# Allegro board RK3588S_Tablet_Demo_LP4XD200P232SD10H2_V11_20220218.brd (continued)
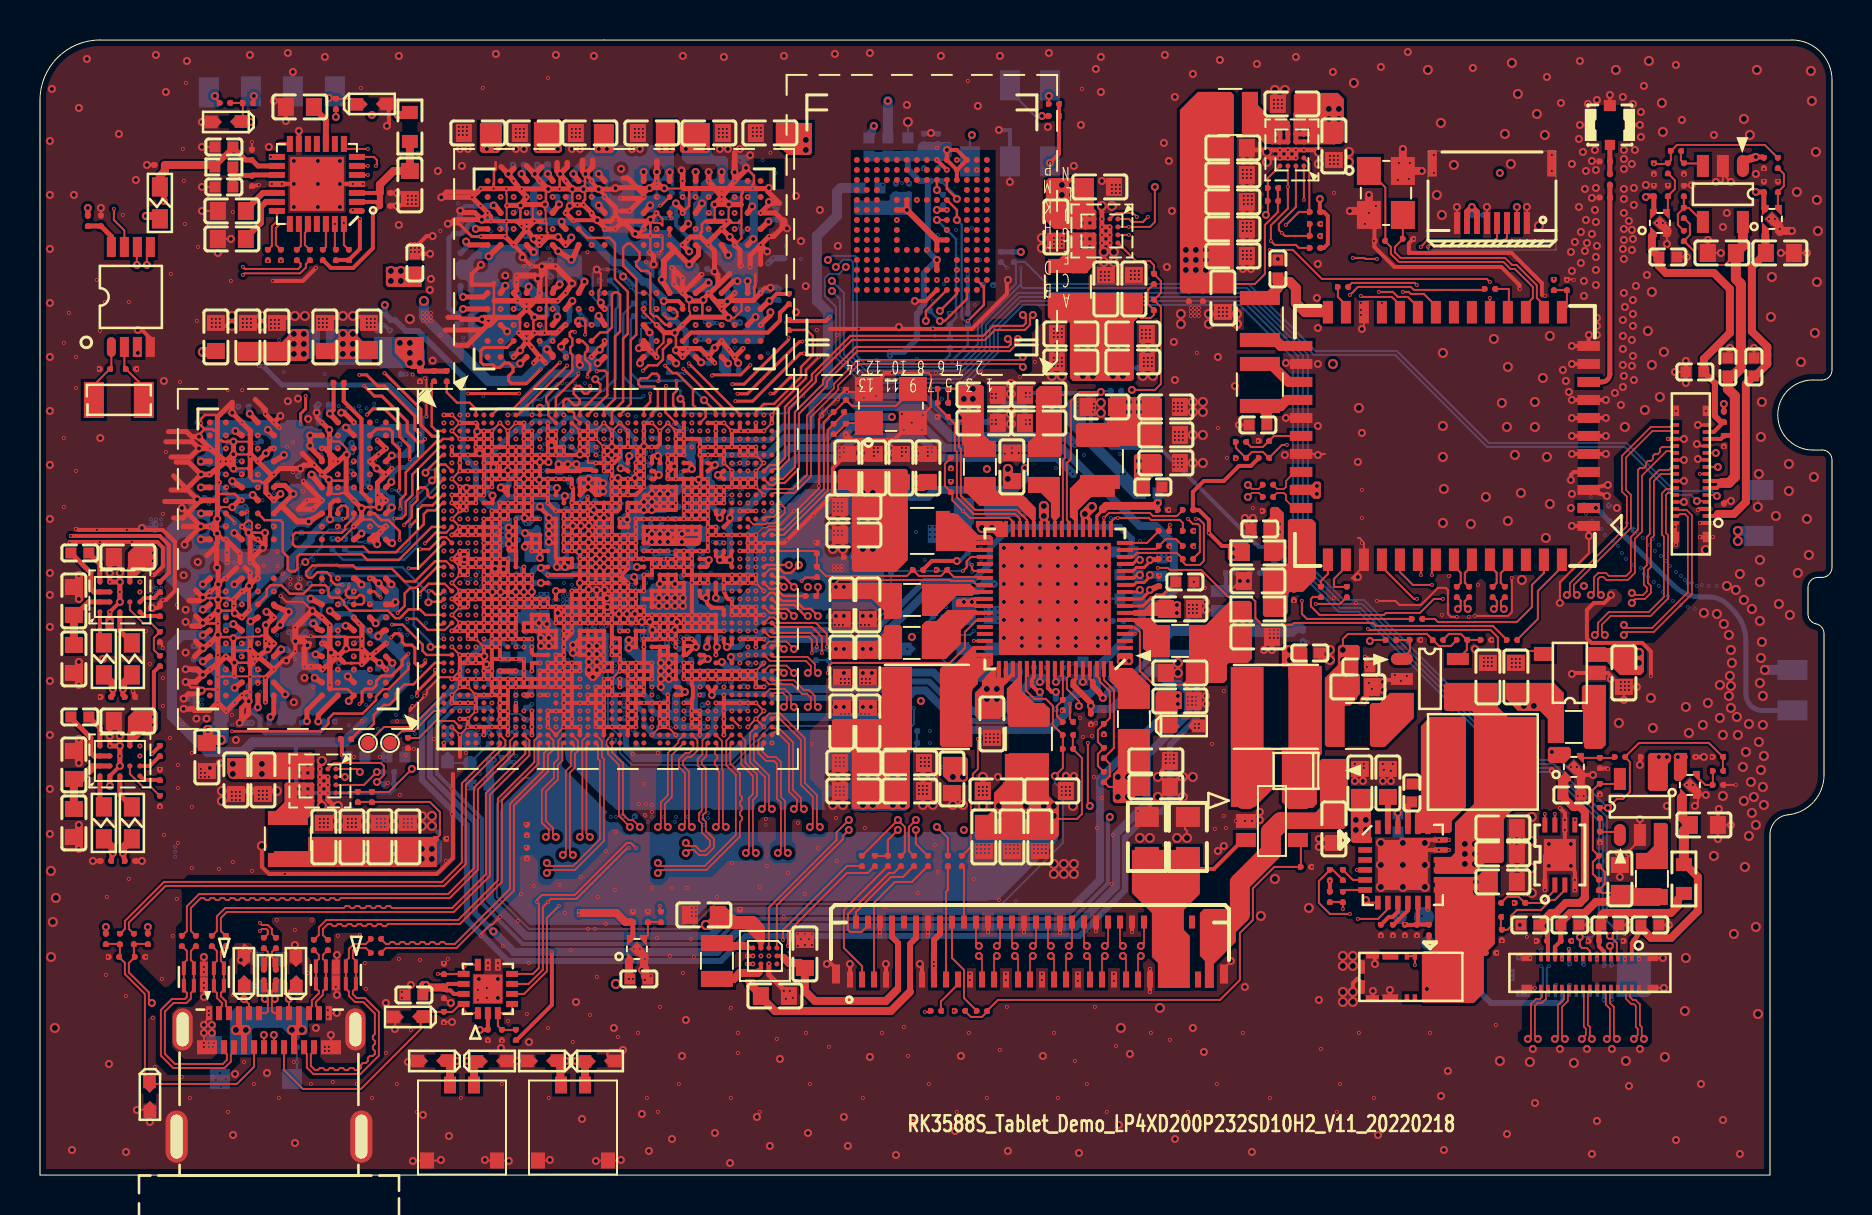
[diagram p0: board, top side]
## Routing (per net, layer and track width the routed paths; a pad name or vN(x,y) marks a point on that pad's centre or on a via; arc(x,y) is an arc through that point) (continued)
  TOP w0.24: 62.39,50.85 v1(62.39,51.25) ; 62.39,50.85 61.99,50.85 ; 62.39,50.85 62.79,50.85 v1(62.79,51.25) ; v1(62.39,51.25) v1(61.99,51.25) ; v1(62.39,51.25) v1(62.79,51.25) ; v1(53.09,47.4) v1(53.09,47) ; v1(53.09,47.4) v1(53.09,47.8) v4(53.09,48.45) ; v1(53.09,47.4) 53.49,47.4 53.49,47 ; v1(53.09,47) v1(53.09,46.6) ; v1(53.09,47) 53.49,47 ; v4(53.19,46.15) 53.09,46.15 v1(53.09,46.6) ; v6(13.99,19.5) v6(13.99,19.1) ; v6(13.99,19.5) v1(13.99,19.9) ; v6(13.99,19.5) 14.39,19.5 ; v6(13.99,19.1) 14.39,19.1 ; v6(13.99,19.1) 13.99,18.7 14.09,18.6 v4(14.09,18.45) ; 14.39,19.1 14.39,19.5 ; 14.39,19.1 14.39,18.75 14.69,18.45 v4(14.89,18.45) ; v1(13.99,19.9) v1(13.99,20.3) 13.99,20.65 14.07,20.73 v4(14.09,20.7) ; v1(13.99,19.9) 14.39,19.9 14.39,19.5 ; 61.99,50.85 v1(61.99,51.25) ; 61.99,50.85 61.34,50.85 ; v1(61.99,51.25) 60.44,51.25 C2314.2 ; v4(53.69,46.15) 53.59,46.15 53.49,46.25 53.49,46.6 ; v1(53.09,46.6) 53.49,46.6 ; v1(62.79,51.25) v1(63.19,51.25) 63.84,51.25 v4(63.94,51.15) ; 53.49,46.6 53.49,47
  TOP w0.243: v4(61.34,50.65) 61.34,50.85
  TOP w0.25: v5(3.99,29.65) v1(3.99,29.15) v5(3.99,28.65) ; v5(3.99,29.65) v1(3.49,29.65) v5(3.49,30.1) 3.49,30.9 C9621.2 3.97,30.9 3.97,30.58 v5(3.99,30.1) v5(3.99,29.65) ; v5(3.99,21.45) v1(3.49,21.45) v5(3.49,21.95) 3.49,22.7 C7034.2 3.97,22.7 3.97,22.38 3.99,21.9 v5(3.99,21.45) ; v5(3.99,21.45) v1(3.99,20.95) v5(3.99,20.45) ; C9613.2 37.44,9 36.44,10 v1(36.44,10.55) ; C7036.2 v5(5.09,15.7) ; v5(3.49,19.45) U7004.B1 ; v5(3.49,27.65) v1(3.49,28.15)
  TOP w0.254: v6(15.69,27.88) 15.69,27.83 v1(15.95,27.58) 16.09,27.43 v6(16.09,26.82) v6(16.09,26.33) ; 6.3,36.66 7.61,36.66 v5(7.95,36.33) 7.52,35.9 6.55,35.9 ; v1(10.89,25.93) v6(11.69,25.28) v6(11.27,24.86) v6(11.27,23.64) ; v1(10.89,25.93) v5(11.4,26.28) ; v1(10.89,25.93) v6(10.51,26.32) ; v1(10.89,25.93) 10.61,25.65 ; v1(10.09,33.73) 10.07,33.73 ; v1(10.09,33.73) 10.07,33.73 ; v1(10.09,33.73) 10.09,33.73 ; 10.07,33.73 9.95,33.73 v5(9.62,33.39) ; 37.18,47.44 36.67,46.93 v6(36.46,46.93) v1(36.03,46.5) ; v6(24.73,42.1) v6(23.93,42.1) v6(24.33,41.7) ; v6(24.73,42.1) v6(24.33,41.7) ; v6(24.73,42.1) v6(25.22,42.1) 25.83,42.1 v1(25.98,42.25) 26.24,42.5 v6(26.28,42.5) ; 10.51,29.51 v5(10.46,29.46) 10.18,29.18 v6(10.09,29.18) v6(9.69,28.78) v1(9.69,28.47) 9.69,28.14 v5(9.74,28.09) ; 10.51,29.51 v1(10.51,30.12) 10.25,30.37 ; 10.51,29.51 10.83,29.83 v1(10.89,29.83) 10.89,30.36 v8(10.63,30.63) 10.63,30.85 v5(11.14,31.36) ; v5(30.53,47.77) 30.45,47.69 29.03,47.69 28.78,47.94 ; 29.16,49.85 29.38,49.85 29.86,49.37 ; v6(14.09,33.73) 13.17,34.65 v1(13.17,34.69) ; v6(14.09,33.73) v6(13.66,33.29) 12.92,33.29 v6(13.36,33.73) v6(14.09,33.73) ; v1(10.89,35.68) 10.89,35.69 v5(11.29,36.09) 11.54,36.33 v6(11.69,36.33) ; v1(10.89,35.68) 11.54,35.03 v6(11.69,35.03) ; v1(10.89,35.68) 10.59,35.99 ; 10.51,25.42 v6(10.51,26.32) ; v1(13.71,35.5) 13.19,35.5 v5(13.02,35.32) 11.99,35.32 v6(11.69,35.03) ; v1(13.71,35.5) 13.12,36.09 ; v1(13.71,35.5) 14.09,35.11 v1(14.09,35.03) ; v5(31.21,49.33) 31.19,49.36 31.17,49.36 31.16,49.37 30.5,49.37 v5(30.48,49.34) 30.46,49.32 30.03,49.32 29.98,49.37 29.86,49.37 ; 36.4,49.32 36.39,49.35 v5(36.44,49.35) 36.39,49.35 36.39,49.32 ; 36.39,49.32 v1(35.63,49.32) 32.2,49.32 32.13,49.4 v1(32.13,49.7) ; 36.4,49.32 36.4,49.17 36.98,48.59 36.52,48.59 v5(36.44,48.65) 36.51,48.58 v1(36.03,48.1) 36.77,48.1 37.18,47.69 ; v5(11.29,27.5) 11.29,26.98 ; 11.29,26.98 v1(11.29,26.69) 11.29,26.38 v5(11.4,26.28) ; 11.29,26.98 v1(11.69,26.58) 11.69,26.53 11.44,26.28 v5(11.4,26.28) ; 32.13,48.13 v1(32.13,48.1) 32.13,48.13 ; 32.13,48.13 32.13,48.25 v5(31.8,48.58) ; U3801.W9 33.43,46.65 v6(33.43,46.5) ; U3801.W9 v1(34.09,47.3) v5(34.49,46.9) 34.73,46.66 v6(34.73,46.5) 35,46.24 35,45.55 35.02,45.53 35.02,45.45 35.04,45.45 v1(35.07,45.47) ; U3801.W9 34.39,47.61 ; 10.76,38.78 11.27,38.27 v6(11.27,38.05) v1(11.69,37.63) ; 21.86,49.14 20.32,49.14 v5(20.06,48.88) v1(21.6,48.88) ; 21.86,49.14 v1(21.6,48.88) ; 21.86,49.14 v1(22.03,49.32) v6(22.68,49.32) v6(23.31,49.32) 23.95,49.32 24.03,49.24 v6(24.09,49.3) v5(25.41,49.3) v1(25.98,49.3) 26.6,49.3 v5(26.62,49.29) v5(27.17,49.29) v5(27.94,49.29) 28.72,49.29 v5(28.78,49.34) 28.8,49.37 29.86,49.37 ; v5(30.68,45.53) 30.68,45.94 v1(30.48,46.14) ; 23.82,47.69 v6(24.72,47.69) ; 20.27,42.25 22.13,42.25 ; 22.13,42.25 21.37,41.49 20.77,41.49 ; 22.13,42.25 U3801.A3 ; 10.52,36.06 10.52,37.21 v1(10.09,37.63) v5(9.61,38.11) 9.61,38.63 8.87,37.9 8.87,34.72 ; 10.52,36.06 10.59,35.99 ; 10.52,36.06 10.51,36.07 ; 10.52,36.06 v6(10.52,35.92) ; 22.88,42.88 22.5,42.5 U3801.A3 ; 22.88,42.88 23.91,42.88 24,42.97 ; 22.88,42.88 22.21,42.88 v5(22.11,42.78) ; v6(35.16,41.33) v1(34.73,40.9) ; v1(34.73,40.9) v5(34.91,40.6) ; v1(34.73,40.9) v6(34.44,41.27) v1(34.08,41.7) v5(33.74,41.36) v6(33.43,40.9) ; v1(36.03,46.5) v5(36.36,46.18) ; v1(36.03,46.5) 36.03,45.55 36.01,45.53 ; v1(36.03,46.5) 35.51,45.98 v6(35.51,45.4) ; v6(14.89,35.68) 14.61,35.96 ; v6(14.89,35.68) 14.38,35.26 ; v6(14.89,35.68) 15.28,36.01 15.33,36.01 v5(15.33,36.01) 15.31,35.98 15.31,34.12 15.68,33.74 v6(15.69,33.73) 16.07,33.34 16.08,33.34 v5(16.08,33.34) 16.08,32.82 v6(15.69,32.43) ; 14.61,35.96 14.52,35.96 ; 14.61,35.96 14.47,36.1 ; v1(33.43,44.1) 33.67,43.82 ; v1(33.43,44.1) 33.52,44.1 33.9,44.49 ; v1(33.43,44.1) v5(33.17,43.75) ; 33.67,43.82 33.8,43.68 v5(34.36,43.68) ; 33.67,43.82 v6(34.08,43.3) ; 8.87,34.72 v1(8.96,34.63) 8.87,34.54 ; 8.87,34.72 8.87,34.54 ; v6(16.49,25.93) v6(16.09,25.53) v6(16.09,26.33) ; v6(16.49,25.93) v5(16.97,25.6) v6(17.29,25.28) ; v6(16.49,25.93) v6(16.8,26.18) U3800.E1 ; v6(16.49,25.93) v6(16.09,26.33) ; v6(24.33,41.7) v6(24.58,41.39) U3801.E1 ; v6(24.33,41.7) v5(24.01,41.23) v6(23.68,40.9) ; U3801.A3 22.11,42.78 v5(22.11,42.78) ; v5(10.43,32.12) 10.51,32.05 v1(10.51,30.63) ; v5(11.14,31.36) 11.25,31.47 v5(11.25,32.11) ; v5(11.14,31.36) 11.14,31.53 ; 14.5,34.71 14.5,34.13 14.42,34.05 ; v6(17.29,35.03) 16.87,34.61 v6(16.87,33.99) ; v6(17.29,35.03) v5(16.84,35.33) v6(16.49,35.68) v6(16.93,36.03) v6(17.29,36.33) v6(16.87,36.75) ; v6(17.29,35.03) v6(17.59,35.33) ; v1(28.23,48.9) 28.78,48.36 28.78,47.94 ; v6(16.87,33.99) 17.04,33.99 v6(17.29,33.73) v5(16.96,33.39) 16.87,33.48 v6(16.87,33.99) ; v1(16.49,29.83) 16.64,29.83 16.88,29.58 v5(16.93,29.58) 16.93,29.54 17.29,29.18 ; v6(33.43,46.5) 33.73,46.21 v5(33.73,45.18) 33.9,45 33.9,44.49 ; v6(33.43,46.5) 33.03,46.9 32.53,46.9 v1(32.38,46.75) v6(32.13,46.5) v5(32.46,46.18) ; v6(11.69,35.03) 11.29,34.63 11.29,34.13 v1(11.45,33.97) v6(11.69,33.73) v5(12.02,34.05) ; v1(30.18,48.9) 30.11,48.83 ; 30.11,48.83 v6(29.48,48.2) 29.03,48.2 ; 30.11,48.83 v1(29.03,48.83) ; 30.39,41.34 30.39,41.49 U3801.N2 ; v1(22.38,48.1) v6(22.03,48.46) v1(21.6,48.88) ; v5(7.09,33.35) 7.09,33.34 7.13,33.34 7.38,33.09 ; v6(30.83,42.5) 31.22,42.12 v5(31.74,42.12) 31.74,42.12 31.75,42.13 v6(32.13,42.5) 32.52,42.89 34.39,42.89 v5(34.41,42.86) 34.41,42.87 34.42,42.92 v6(34.08,43.3) ; 24.05,47.59 24.08,47.56 v1(24.33,47.3) ; v1(33.09,45.02) 33.05,45.02 v6(32.13,44.1) ; v5(9.67,35.32) 9.67,36.04 v5(9.67,36.04) v5(9.67,36.67) ; 10.59,35.99 v6(10.52,35.92) ; v1(14.09,35.03) v5(14.44,34.77) ; v1(14.09,35.03) 14.38,35.26 ; U3800.A3 15.44,23.72 v5(15.44,23.7) ; v6(27.58,40.9) 27.94,41.26 v5(27.99,41.26) 27.99,41.32 28.23,41.56 v1(28.23,41.7) ; 8.83,31.46 8.83,31.58 8.87,31.62 8.87,32.06 v5(8.86,32.07) 8.83,32.1 8.83,32.76 8.84,32.77 8.84,32.78 v5(8.86,32.81) 8.86,32.84 8.87,32.85 8.87,33.8 ; 8.83,31.46 8.83,30.4 v5(8.86,30.37) 8.91,30.32 v5(8.91,29.53) v5(8.91,28.77) v5(8.91,28.21) 8.89,28.2 v1(8.89,27.58) v5(8.89,27) v1(8.89,25.99) 8.89,25.68 8.96,25.62 8.88,25.54 v6(8.88,24.91) v6(8.88,24.28) v1(8.88,23.63) ; 8.83,31.46 8.35,30.98 ; 8.87,33.8 8.8,33.73 U3800.T12 ; 8.87,33.8 8.87,34.54 ; 27.91,47.69 v5(27.86,47.74) 27.58,48.02 v6(27.58,48.1) v6(27.18,48.5) v1(26.87,48.5) 26.54,48.5 v5(26.49,48.45) ; 27.91,47.69 28.23,47.37 v6(28.23,47.3) v1(28.77,47.3) v8(29.03,47.56) 29.26,47.56 v5(29.77,47.06) ; 27.91,47.69 28.52,47.69 28.78,47.94 ; 14.38,35.26 14.52,35.4 14.52,35.96 ; v6(10.52,35.92) 10.52,34.94 ; 33.12,43.7 32.53,43.7 v5(32.46,43.78) v6(32.13,44.1) ; 9.84,30.37 U3800.K11 v1(9.29,29.83) ; 6.42,37.17 7.33,37.17 7.58,36.91 v5(7.95,36.91) ; U3801.C5 v9(23.92,43.75) 23.96,43.71 v1(24.33,43.3) ; 29.86,49.37 30.18,49.05 ; v6(14.89,25.93) 14.49,25.56 14.44,25.52 U3800.C5 ; v6(14.89,25.93) 15.28,26.32 v5(15.31,26.32) 15.31,26.84 ; v6(14.89,25.93) U3800.D4 15.18,25.64 ; v5(22.11,42.78) 21.07,42.78 20.97,42.88 20.39,42.88 ; v6(34.08,43.3) 34.36,43.58 v5(34.36,43.68) ; 34.49,45.08 33.9,44.49 ; v6(24.72,47.69) v1(24.33,47.3) ; v6(24.72,47.69) v6(25.23,47.69) ; v1(24.33,47.3) v5(24.69,46.8) ; v1(24.33,47.3) v6(23.68,46.5) v6(23.26,46.92) v6(22.05,46.92) ; v1(11.69,37.63) U3800.AB8 v1(11.96,37.37) ; v1(11.69,37.63) v5(12.02,37.95) ; v5(24.69,46.8) 24.69,46.75 24.93,46.5 v1(24.98,46.5) 25.38,46.9 ; v5(24.69,46.8) 24.79,46.9 v1(25.09,46.9) 25.38,46.9 ; v6(14.09,37.63) U3800.AB5 14.46,37.26 v5(14.46,37.26) 14.47,37.25 14.47,36.87 v1(14.5,36.85) 14.47,36.82 14.47,36.1 ; v6(14.09,36.33) 14.24,36.33 14.47,36.1 ; U3801.E1 v6(25.28,40.6) ; U3801.E1 v6(24.68,40.6) ; 25.38,46.9 v5(25.9,46.9) ; v6(26.67,47.72) v1(26.28,48.1) ; v5(9.98,22.6) 10.07,22.7 ; 10.07,22.7 10.43,23.05 v5(10.43,23.69) 10.07,23.34 10.07,22.7 ; v5(20.39,47.56) 20.52,47.56 20.72,47.77 v5(22.09,47.77) 21.74,48.12 21.1,48.12 v5(21.01,48.22) ; v6(32.39,41.32) 33.01,41.32 v6(33.43,40.9) ; v6(32.39,41.32) 32.39,41.16 v6(32.13,40.9) v5(31.8,41.24) 31.88,41.32 v6(32.39,41.32) ; v1(8.88,23.63) v1(9.31,23.2) v6(9.74,23.62) v1(10.09,23.98) ; v1(8.88,23.63) 8.47,23.23 7.73,23.23 7.64,23.31 v5(7.18,23.31) ; v6(33.43,40.9) v6(33.73,40.6) ; 34.39,47.61 v6(34.32,47.68) 33.35,47.68 ; 34.39,47.61 34.47,47.69 ; 7.33,34.31 7.27,34.25 6.55,34.25 ; 7.33,34.31 v5(8.05,35.03) 7.43,35.65 6.8,35.65 ; 7.33,34.31 7.85,33.79 v5(7.86,33.79) ; 7.33,34.31 6.68,34.96 ; 31.7,45.28 v6(31.7,44.54) v6(32.13,44.1) ; 31.7,45.28 31.61,45.37 v6(31.59,45.35) ; 31.7,45.28 v6(32.13,44.84) v6(32.13,44.1) ; v1(24.33,43.3) 24.72,42.92 v5(24.72,42.89) 25.24,42.89 ; v1(24.33,43.3) 24.05,43.02 ; v5(9.67,26.84) 9.67,26.84 9.67,25.67 v5(9.72,25.62) 9.72,25.62 v6(9.72,24.96) 9.74,24.93 ; v5(7.86,33.79) 7.86,33.67 6.24,33.67 ; v5(7.86,33.79) 7.97,33.67 7.38,33.09 ; 10,30.63 v6(10,31.07) 9.36,31.71 ; v5(36.52,43.14) 36.52,42.99 v6(36.03,42.5) ; 23.33,48.45 v6(23.36,48.48) 24.02,48.48 v5(24.03,48.48) 24.07,48.52 25.24,48.52 v5(25.24,48.53) ; v5(34.36,43.68) 34.41,43.72 35.65,43.72 v6(36.03,44.1) ; v5(34.36,43.68) 34.36,43.73 v6(34.73,44.1) ; v6(10.51,26.32) v6(10.51,26.82) ; U3800.AB3 v6(15.69,37.63) 15.2,38.12 v5(15.06,38.12) ; 16.86,31.99 16.71,31.99 16.49,31.78 ; 14.52,35.96 14.47,36.01 14.47,36.1 ; 35.07,48.52 34.44,48.52 v5(34.44,48.53) v5(33.73,48.53) ; v5(7.23,31.51) 7.23,31.62 v5(8.04,32.43) 7.38,33.09 ; v1(10.09,27.88) v6(10.48,28.27) ; 6.68,32.85 7.14,32.85 7.38,33.09 ; v5(7.18,23.82) 7.42,24.06 7.92,24.06 v5(8.08,24.22) ; v5(29.77,47.06) 29.87,46.95 v6(30.52,46.95) ; v5(29.77,47.06) 29.93,47.06 ; v1(30.57,41.16) v6(30.83,40.9) ; v1(17.03,32.17) v6(17.29,32.43) ; v1(9.36,30.63) 9.36,31.71 ; 9.36,31.71 v1(9.29,31.78) ; v5(37.79,43.14) 37.79,43.14
  TOP w0.279: 14.49,26.34 14.55,26.27 v5(14.55,26.12) 14.7,26.12 v6(14.89,25.93) ; 14.49,26.34 14.49,25.48 ; 14.49,26.34 v6(14.49,27.49) v6(14.09,27.88) v5(13.62,28.2) ; 14.49,26.34 14.24,26.58 v1(14.09,26.58) ; v5(26.01,50.05) 26.36,50.41 26.36,50.61 ; v5(26.01,50.05) 25.85,50.21 25.85,50.61 ; v5(26.01,50.05) v1(26.28,49.7) v5(26.62,49.29) ; U3800.C5 13.95,25.42 v1(13.55,25.42) v1(13.22,25.42) ; v5(8.05,35.03) v1(8.47,35.03) 8.49,35.03 8.87,35.34 v1(9.29,35.68) ; v1(9.29,35.68) 8.87,36.02 v6(8.49,36.33) ; v1(9.29,35.68) v5(9.67,35.32) ; v1(9.29,35.68) 9.67,36.04 ; 34.73,51.11 v5(34.73,50.14) v1(34.73,49.7) ; v5(26.57,46.88) 26.56,46.88 26.57,46.8 v6(26.28,46.5) v5(25.9,46.9) ; 23.06,50.41 v5(23.42,50.05) ; v5(23.42,50.05) v1(23.68,49.7) 24.03,49.24 v6(24.33,48.9) v5(24.03,48.48) ; v5(23.42,50.05) 23.7,50.33 ; 7.46,28.72 7.99,28.72 v5(8.14,28.87) 7.79,29.23 ; v5(8.14,26.33) v1(8.49,26.58) v5(8.89,27) ; v5(8.14,26.33) 7.74,25.93 ; v5(8.14,26.33) 7.79,26.69 ; 16.49,31.78 16.62,31.78 v5(16.86,31.54) 16.86,31.99 v1(17.03,32.17) ; v5(24.74,50.05) v1(24.98,49.7) v5(25.41,49.3) ; v5(24.74,50.05) 24.33,50.46 ; v5(24.74,50.05) 25.09,50.41 ; v5(8.91,28.21) v1(8.49,27.88) v5(8.14,27.6) ; v5(35.3,50.36) 35.3,50.27 v1(34.73,49.7) ; v1(34.73,49.7) v1(34.08,48.9) ; 13.47,26.58 v5(13.38,26.49) ; v5(28.04,43.63) 28.04,43.5 v1(28.23,43.3) ; 24.74,43.71 v6(23.88,43.71) ; 24.74,43.71 v1(24.33,43.3) ; 24.74,43.71 24.98,43.95 v1(24.98,44.1) 24.98,44.73 v5(24.89,44.82) ; 24.74,43.71 v6(25.89,43.71) v6(26.28,44.1) v5(26.6,44.57) ; v5(7.86,33.79) 7.97,33.68 8.02,33.73 U3800.T12 8.49,33.73 ; v1(30.57,41.16) 30.39,41.34 v5(29.94,41.34) 30.18,41.58 U3801.N2 ; v5(32.08,50.23) 32.13,50.18 v1(32.13,49.7) ; v6(9.29,25.93) 8.96,25.62 v1(8.49,25.28) v5(8.14,25.01) ; v6(9.29,25.93) v5(9.72,25.62) ; v6(9.29,25.93) 9.29,25.93 ; v5(11.29,27.5) v6(11.69,27.88) 11.4,28.16 v5(11.32,28.16) ; 7.59,27.45 7.99,27.45 v5(8.14,27.6) ; v5(8.14,25.01) 7.86,25.29 v5(7.28,25.29) ; v5(8.14,25.01) 7.79,24.66 v5(7.28,24.66) ; 14.49,25.48 14.44,25.52 ; 14.49,25.48 14.49,24.59 14.49,24.58 14.49,24.31 ; 8.49,32.43 v6(8.49,32.43) v5(8.04,32.43) 7.18,32.43 ; v1(34.08,48.9) v5(34.44,48.53) ; v1(34.08,48.9) v5(33.73,48.53) ; v1(34.08,48.9) 33.74,49.32 v1(33.43,49.7) v5(33.43,50.15) ; v5(9.74,28.09) v1(10.09,27.88) ; v6(23.88,43.71) v9(23.92,43.75) ; v6(23.88,43.71) 22.72,43.71 ; v5(7.95,36.33) v6(8.49,36.33) ; v6(8.49,36.33) 7.95,36.88 v5(7.95,36.91) ; 27.63,50.74 27.63,50.41 v5(27.28,50.05) 27.12,50.21 27.12,50.74 ; v1(23.82,44.97) v1(23.82,44.64) 23.82,44.24 U3801.C5 ; v1(26.28,48.1) v5(26.49,48.45) ; v5(8.14,27.6) 7.79,27.96 ; v6(30.83,49.7) v5(30.84,50.15) 30.84,50.7
  TOP w0.305: v1(13.22,25.42) 13.22,26.33 v5(13.38,26.49) 13.17,26.69 v5(12.77,26.69) v1(12.77,27.37) 13.59,28.2 v5(13.62,28.2) ; v1(23.82,44.97) 24.74,44.97 v5(24.89,44.82) 25.09,45.02 v5(25.09,45.43) v1(25.78,45.43) 26.6,44.6 v5(26.6,44.57)
  TOP w0.4: v5(1.94,25.65) 1.94,25.1 C9623.2 1.64,25.1 1.94,24.8 v5(1.94,24.5) ; 66.44,48.2 v1(66.44,48.1) Y6300.2 ; 66.44,48.2 v5(65.49,48.2) ; 66.44,48.2 v5(66.44,49) ; v5(1.94,30) 1.94,29.4 ; 1.94,29.4 C9622.2 ; 1.94,29.4 v5(1.94,28.8) ; C9629.2 30.24,9.95 30.24,10.35 30.19,10.4 30.19,10.78 30.22,10.8 30.22,10.93 U7006.N5 ; v5(1.94,20.6) 1.94,21.2 ; 1.94,21.2 v5(1.94,21.8) ; 1.94,21.2 C9618.2 ; v5(1.94,17.5) 1.94,16.9 C9619.2 1.64,16.9 1.94,16.6 v5(1.94,16.3) ; 68.94,50.2 Y6300.4 v5(68.14,51.3) ; U4601.N5 81.37,47.23 81.37,47.1 ; v5(87.59,47.2) 87.04,47.2 86.99,47.15 86.97,47.3 86.97,47.43 U4600.N5 ; C4719.2 77.04,19.88 77.07,19.9 77.07,20.03 U4700.N5 ; 82.87,19 82.87,19.13 U4702.N5
  TOP w0.406: 37.18,47.44 37.18,47.69
  GND02 w0.064: v6(31.39,37.6) v6(30.99,37.2) v1(30.59,37.6) ; 27.89,36.71 v1(28.19,36.4) ; v1(30.59,36.4) 31.04,36.4 ; v6(28.99,37.6) 29.33,37.27 29.38,37.27 29.41,37.24 v1(29.41,37.22) 29.41,37.22 29.41,37.24 29.44,37.27 29.46,37.27 29.79,37.6 ; v6(28.19,37.6) 28.19,37.58 27.94,37.33 27.94,37.07 27.89,37.02 27.84,37.02 ; 23.84,31.69 23.91,31.76 24.75,31.76 24.81,31.82 ; 26.62,39.33 27.14,39.86 27.14,40.01 27.49,40.36 27.49,40.81 v6(27.58,40.9)
  GND02 w0.076: 31.01,43.19 30.92,43.1 30.38,43.1 v1(30.18,43.3) ; 31.04,36.4 31.39,36.05 v1(31.39,36) ; v6(24.33,41.7) 23.35,41.7 22.26,42.78 v5(22.11,42.78)
  GND02 w0.1: v7(23.84,31.18) 23.84,32.45 ; v7(9.94,6.8) 9.59,6.8 9.54,6.85 v7(9.19,6.85) ; v7(16.25,40.09) 16.25,39.87 15.06,38.67 v5(15.06,38.12) ; v6(30.19,29.2) 30.6,29.2 32.19,29.2 v6(32.59,29.6) ; v6(24.59,37.2) 25.07,37.68 v7(25.19,37.68) ; v6(28.39,45.28) 27.43,44.32 26.86,44.32 v5(26.6,44.57) ; 13.83,38.23 v5(13.83,38.12) ; v7(32.71,40.39) 32.7,40.4 32.7,40.78 32.71,40.78 32.71,41.18 v7(32.61,41.28) ; v1(31.79,31.2) 31.79,31.41 31.74,31.46 31.74,32.4 31.79,32.45 v1(31.79,32.8) ; v6(20.59,38) U1000.B3 v1(20.99,37.6) ; v7(12.84,6.35) 12.84,6.75 12.89,6.8 13.39,6.8 v7(13.44,6.85) ; v7(27.51,42.77) 26.99,42.26 26.99,41.56 v1(26.33,40.9) ; v1(70.84,27.9) 70.79,27.95 70.54,27.95 70.39,28.1 70.39,28.4 70.69,28.7 73.59,28.7 73.69,28.6 73.69,28.15 ; v1(23.79,37.6) v6(23.39,37.2) ; v8(48.94,41.35) v8(48.34,41.35) ; v7(27.6,33.82) 27.79,34.02 27.79,34.72 28.03,34.95 28.44,34.95 v1(28.59,34.8)
  GND02 w0.102: 27.02,26 27.02,25.99 ; 27.02,26 27.02,27.16 v7(27.02,27.16) ; 27.02,26 27.02,25.63 26.62,25.23 v1(26.59,25.2) ; v6(32.13,42.5) 31.7,42.5 31.47,42.73 31.47,43.14 31.32,43.29 31.11,43.29 31.01,43.19 ; 27.89,34.91 27.78,34.81 ; v5(16.86,31.54) 18.07,32.76 18.07,32.9 v7(17.97,33) 19.45,33 v7(19.6,32.85) ; v1(28.59,35.6) 28.76,35.77 29.11,35.77 29.44,35.44 29.63,35.44 v1(29.79,35.6) ; 23.84,31.8 23.85,31.81 23.85,32.1 23.84,32.11 ; v1(20.99,30) v6(20.59,29.6) ; v6(27.39,36.8) 27.49,36.71 27.89,36.71 ; v7(24.08,32.57) 24.05,32.6 23.96,32.6 23.84,32.48 23.87,32.45 23.84,32.43 ; v1(25.78,45.43) 25.78,45.47 26.57,46.26 v5(26.57,46.88) ; 23.84,31.25 23.87,31.28 23.84,31.3 ; v1(21,28.38) 20.98,28.36 20.95,28.36 v6(20.59,28) ; v6(20.59,32.01) 20.59,31.61 v6(20.99,31.2) ; v5(29.94,41.34) 29.94,41.26 31.34,39.86 31.49,39.71 31.49,39.62 31.55,39.56 31.55,39.45 31.64,39.35 v7(32.69,39.35) ; v6(20.59,32.8) U1000.N3 v1(20.99,33.24) ; v7(26.62,40.09) 26.62,40.62 v1(26.33,40.9) ; v1(21.79,26) v1(22.19,26.4) 21.8,26.8 v1(21.8,26.81) ; v1(20.59,34.8) 20.6,34.8 v1(20.99,34.41)
  GND02 w0.152: v6(33.43,46.5) 33.09,46.84 33.09,47.64 33.12,47.66 v7(33.12,47.68) ; 21.92,46.55 21.92,46.6 20.95,47.56 v5(20.39,47.56) ; 9.77,34.05 v1(10.09,33.73) ; v1(32.13,48.1) 32.46,48.43 32.46,49.21 ; 11.36,34.69 v6(11.69,35.03)
  GND02 w0.2: v7(13.74,5.85) 13.54,5.85 13.44,5.95 v7(13.44,6.85) ; v5(13.79,7.35) 13.69,7.35 v7(13.69,8.1) 13.69,8.55 v7(13.44,8.55) ; 9.39,6.85 9.44,6.8 v7(9.44,5.95) ; v7(9.04,7.6) 9.19,7.6 9.19,8.55 9.14,8.6 v7(8.94,8.6) ; 17.99,12.3 17.69,12.3 ; v6(27.74,12.3) v6(27.39,12.3) ; v1(32.79,13.15) v1(32.79,13.35)
  S03 w0.064: v5(15.31,26.32) 15.38,26.39 ; 15.38,26.39 15.38,26.31 ; 15.38,26.39 15.38,26.6 15.44,26.65 15.44,26.7 15.91,27.18 v2(16.07,27.18) ; v2(11.16,34.08) 11.26,33.97 v1(11.45,33.97) ; 33.17,48.12 33.17,48.17 33.53,48.53 v5(33.73,48.53) ; 33.17,48.12 33.17,47.67 ; 33.17,48.12 v2(33.02,47.97) 33.02,47.82 33.12,47.72 33.17,47.67 ; 24.36,41.9 v8(25.35,41.9) v2(25.58,42.13) ; 24.36,41.9 v2(24.03,42.24) 24.03,42.17 v7(24.2,42) 24.3,41.9 24.36,41.9 ; v5(9.67,35.32) 9.67,35.12 10.03,34.76 10.08,34.76 v2(10.23,34.61) 10.38,34.61 10.71,34.94 10.71,35.93 10.76,35.99 ; v1(10.09,37.63) 10.09,37.62 10.13,37.58 10.13,36.72 9.86,36.45 9.86,36.23 9.77,36.14 ; 19.38,24.97 19.44,25.04 19.93,25.04 v7(19.96,25.01) ; 19.38,24.97 19.13,24.72 ; 19.38,24.97 19.38,24.85 ; 20.4,24.58 20.4,24.61 v1(20.59,24.8) v1(20.99,25.2) ; 20.4,24.58 20.54,24.58 ; 20.4,24.58 v7(20.29,24.47) 20.24,24.41 20.24,24.27 ; 22.95,38.42 23.3,38.42 23.43,38.3 ; 22.95,38.42 22.89,38.42 22.7,38.61 22.47,38.61 ; 22.95,38.42 v7(23.06,38.31) ; 19.38,24.85 v7(19.3,24.77) 19.25,24.72 19.13,24.72 ; 19.38,24.85 19.54,25.01 v7(19.96,25.01) ; v7(14.68,31.18) 14.49,31.37 14.49,31.38 ; v1(20.99,25.2) 20.76,25.44 v7(20.39,25.44) 20.13,25.44 20.1,25.41 20.1,25.41 19.98,25.29 19.98,25.09 ; v1(20.99,25.2) 20.99,25.03 20.54,24.58 ; v2(25.58,42.13) 25.58,42.28 25.1,42.76 25.05,42.76 25,42.81 24.71,42.81 ; v2(25.58,42.13) 25.61,42.1 25.83,42.1 v1(25.98,42.25) ; 20.64,34.87 20.65,34.86 20.65,34.76 ; 20.64,34.87 20.64,34.85 v1(20.59,34.8) 20.6,34.8 20.65,34.76 ; 20.64,34.87 19.46,36.05 18.77,36.74 18.77,37.27 ; v2(16.07,27.18) v8(16.3,26.95) 16.3,26.02 16.01,25.74 ; v2(16.07,27.18) 16.09,27.2 16.09,27.43 v1(15.95,27.58) ; v7(20.39,29.55) 20.34,29.5 v7(19.89,29.5) v7(19.5,29.5) 19.43,29.5 19.36,29.43 19.15,29.43 18.26,29.43 18.12,29.57 ; 18.21,38.9 18.29,38.9 18.49,38.7 18.49,38.06 18.43,38.01 v2(18.43,37.93) ; 18.32,36.53 18.32,37.08 18.23,37.16 ; 18.32,36.53 18.23,36.62 v7(18.23,36.91) 18.23,37.16 ; 18.32,36.53 18.32,36.53 19.41,35.44 ; 18.23,37.16 17.24,38.16 v7(17.24,38.18) 17.24,38.32 v2(17.11,38.45) 17.55,38.9 17.62,38.9 ; v7(16.2,31.17) 16.1,31.08 ; v2(11.86,24.47) 11.86,24.56 v7(11.63,24.78) 11.38,25.04 v2(11.25,25.04) ; v7(48.04,51.6) 46.28,51.6 41.58,56.3 9.81,56.3 3.04,49.54 v5(3.04,48.35) ; v2(23.44,46.95) 23.44,46.82 v7(23.19,46.57) 22.96,46.34 v2(22.87,46.34) ; v7(29.77,41.59) 29.77,41.52 v5(29.94,41.34) 29.94,41.24 v7(29.66,40.96) v7(29.66,40.34) ; 19.74,35.11 19.66,35.11 19.61,35.16 19.61,35.24 ; 19.74,35.11 19.98,34.87 19.98,34.5 ; 19.74,35.11 19.61,35.24 ; v2(18.2,28.9) 18.2,28.65 18.18,28.62 v7(18.18,28.6) ; 18.77,37.27 18.77,37.4 v7(18.54,37.63) 18.54,37.6 v7(18.82,37.32) 18.77,37.27 ; v7(16.61,31.36) 16.68,31.36 v5(16.86,31.54) 16.96,31.54 17.24,31.26 v7(17.85,31.26) ; 20.65,34.76 20.65,34.75 ; v2(33.37,42.94) 33.1,42.67 33.1,42.27 v2(33.14,42.24) 33.17,42.24 33.5,41.9 34.47,41.9 34.69,42.13 34.76,42.13 ; v7(16.35,25.51) 16.35,25.44 16.15,25.23 v2(16.1,25.23) ; v1(4.44,43.65) 4.64,43.85 6.19,43.85 9.34,47 ; v7(22.05,28.21) 21.54,28.21 v2(21.3,28.44) ; v7(19.76,38.31) 19.58,38.13 19.58,37.78 19.85,37.51 v7(19.9,37.51) 19.9,37.5 19.99,37.5 20.25,37.25 v2(20.39,37.25) ; 34.76,42.13 34.69,42.19 34.69,42.24 34.49,42.44 34.49,42.79 v5(34.41,42.86) ; 34.76,42.13 v2(34.79,42.13) ; v5(34.44,48.53) 34.63,48.34 34.88,48.34 35.13,48.09 36.01,48.09 36.02,48.1 v1(36.03,48.1) ; v2(10.43,25.46) 10.68,25.71 10.68,26.16 10.65,26.19 10.65,26.37 10.68,26.4 10.68,26.67 10.65,26.7 10.65,26.9 v2(10.56,27) 10.46,27 10.4,26.94 10.29,26.94 10.21,26.86 9.69,26.86 v5(9.67,26.84) 9.67,26.49 9.85,26.3 9.85,26.07 9.81,26.02 9.81,25.99 9.72,25.9 v5(9.72,25.62) ; v1(10.94,49.5) 10.94,49.45 5.95,44.45 4.04,44.45 v1(3.24,43.65) ; v7(15.57,22.69) 15.34,22.69 v2(15.26,22.77) 15.31,22.82 15.5,22.82 v7(15.57,22.89) ; 19.13,24.72 19,24.59 19,24.21 19.22,23.99 v1(19.22,23.96) ; v7(33.12,47.68) 33.17,47.67 ; 33.17,47.67 33.34,47.49 34.33,47.49 34.39,47.43 v7(34.39,47.41) ; v7(19.96,25.01) 19.98,25.04 19.98,25.09 ; v7(19.96,25.01) 19.96,25.06 19.98,25.09 ; 16.23,36.13 16.29,36.07 16.29,35.1 15.96,34.76 v2(15.96,34.73) 15.92,34.7 15.53,34.7 v2(15.26,34.97) ; 19.41,35.44 19.61,35.24 ; 19.41,35.44 19.15,35.44 v2(19.04,35.55) 19.04,35.74 18.95,35.84 v7(18.93,35.84) ; v7(19.8,28.83) 20.07,28.83 v2(20.1,28.8) ; v1(20.99,37.6) 20.77,37.83 20.77,38.19 20.14,38.82 v2(19.86,38.82) 19.82,38.82 v7(19.57,39.07) 19.53,39.11 19.53,39.7 v2(19.7,39.87) ; 20.24,24.27 19.92,23.96 19.89,23.96 ; 20.24,24.27 20.54,24.58 ; v2(29.87,43.7) 29.5,43.34 29.5,42.23 29.68,42.05 29.68,41.67 ; v9(14.57,29.63) 14.76,29.83 v1(14.89,29.83) 14.92,29.8 v7(15.31,29.8) v7(15.69,29.8) ; v7(17.97,33) 18.07,32.9 18.26,32.9 v2(18.26,32.9) ; v7(19.39,31.12) 19.32,31.04 18.37,31.04 v2(18.2,31.22) ; 16.07,36.35 16.01,36.29 15.96,36.29 15.76,36.09 15.41,36.09 v5(15.33,36.01) ; 19.98,34.16 19.94,34.19 19.94,34.47 ; 24.9,48.53 v5(25.24,48.53) 25.27,48.51 25.27,47.98 25.35,47.91 25.35,47.8 25.4,47.74 v2(25.4,47.64) 25.3,47.54 25.1,47.54 25.08,47.52 24.8,47.52 24.78,47.54 24.59,47.54 24.57,47.52 24.12,47.52 v2(23.87,47.77) 24,47.9 v7(24,48.09) 24.03,48.12 v5(24.03,48.48) 24.3,48.48 24.4,48.39 24.43,48.39 24.47,48.34 24.71,48.34 24.9,48.53
  S03 w0.076: 28.95,41.32 28.95,40.29 28.6,39.93 28.6,36.72 28.65,36.67 28.65,36.46 v5(28.6,36.41) ; 28.95,41.32 28.95,41.62 v2(29,41.67) 29,41.59 29.03,41.57 29.13,41.57 29.16,41.59 29.16,41.77 28.95,41.98 28.93,41.95 ; 28.95,41.32 29.08,41.45 ; v5(29.94,41.34) 29.84,41.34 29.68,41.18 29.68,41.67 v7(29.77,41.59) ; v2(12.61,32.95) 14.49,31.08 14.8,31.08 ; 30.75,44.98 30.75,45.13 30.58,45.29 30.58,45.43 ; 30.75,44.98 v7(30.55,45.17) ; 30.75,44.98 30.75,44.58 ; v7(36.78,39.33) 36.78,38.96 v7(36.8,38.93) 36.78,38.93 36.7,38.85 36.01,38.85 35.54,38.38 v7(35.42,38.38) 35.37,38.38 35.19,38.2 35.14,38.2 34.37,37.42 34.11,37.42 33.98,37.29 33.98,37 v1(33.8,36.82) ; v2(23.19,30.7) 23.18,30.83 22.83,31.39 v7(22.78,31.4) ; v7(28.94,44) 28.94,44.25 ; v7(28.94,44) 29.41,44.46 29.66,44.46 ; v7(28.94,44) 28.94,43.44 v7(28.91,43.41) 28.95,43.37 28.95,42 28.93,41.98 v7(28.9,41.98) 28.93,41.95 ; 28.59,47.72 28.57,47.72 28.55,47.74 ; 28.59,47.72 28.74,47.72 ; 28.59,47.72 28.57,47.74 28.55,47.74 ; 20.48,30.73 20.59,30.84 ; 20.48,30.73 20.52,30.73 v1(20.59,30.8) 20.59,30.84 ; 20.48,30.73 20.32,30.57 19.69,30.57 ; 20.59,30.84 20.82,31.07 20.82,31.26 20.62,31.46 v7(20.39,31.46) v7(19.96,31.46) 19.62,31.46 19.39,31.23 ; 17.29,29.88 17.02,29.88 16.97,29.83 ; 17.29,29.88 v7(17.22,29.8) 17.19,29.83 16.97,29.83 ; 17.29,29.88 17.75,29.88 ; 28.95,49.3 29.71,49.3 v7(29.71,49.29) ; 28.95,49.3 28.39,48.75 v7(28.39,48.45) 28.39,48.26 28.65,48 ; 28.95,49.3 28.82,49.3 v5(28.78,49.34) ; v7(14.68,31.18) 14.77,31.1 14.78,31.1 14.8,31.08 ; 29.24,38.89 29.18,38.84 v7(29.18,38.74) 29.18,38.67 29.24,38.61 ; 29.24,38.89 29.24,39.23 29.14,39.33 29.14,39.74 29.37,39.97 v2(29.6,39.97) 29.66,40.04 v7(29.66,40.34) ; 29.24,38.89 29.24,38.61 ; 9.47,31.77 9.52,31.72 9.95,31.72 ; 35.34,37.45 35.34,37.26 35.38,37.22 ; 35.34,37.45 35.53,37.65 35.78,37.65 v2(35.79,37.65) ; 35.34,37.45 35.31,37.45 v2(35.07,37.22) 34.9,37.04 ; 14.8,31.08 16.45,31.08 16.52,31.15 16.52,31.28 ; 33.46,45.16 33.23,45.16 v1(33.09,45.02) ; 33.46,45.16 33.63,45.33 33.73,45.23 v5(33.73,45.18) ; 33.46,45.16 33.33,45.04 ; 29.66,46.29 29.66,46.14 v7(29.71,46.09) ; 29.66,46.29 29.73,46.29 29.81,46.22 ; 29.66,46.29 29.47,46.29 ; v7(35.89,37.96) 35.89,38 36.27,38.39 36.89,38.39 37.38,38.39 37.4,38.4 37.5,38.4 37.54,38.44 ; 13.16,34.93 13.03,35.06 ; 13.16,34.93 13.16,35.18 ; 13.16,34.93 13.41,34.68 v7(13.97,34.68) ; 13.03,35.06 13.03,34.83 v1(13.17,34.69) ; 13.03,35.06 12.87,35.22 12.97,35.32 v5(13.02,35.32) ; 28.78,47.79 28.78,47.87 28.65,48 ; v1(27.38,46.14) 27.35,46.17 27.35,46.4 27.34,46.4 27.34,46.6 ; v7(22.44,31.03) 22.4,30.99 21.72,30.99 21.54,30.8 21.25,30.8 21.23,30.78 v5(21.21,30.78) ; 20.01,30.18 20.09,30.26 20.7,30.26 20.72,30.23 20.73,30.23 20.86,30.1 20.86,29.87 20.83,29.84 20.79,29.84 20.7,29.75 ; 20.01,30.18 19.97,30.14 ; 20.01,30.18 19.76,30.18 v7(19.76,30.18) ; 23.59,30.7 23.64,30.75 23.69,30.78 23.75,30.68 23.71,30.5 v7(23.59,30.4) ; v5(10.43,32.12) 10.38,32.07 10.3,32.07 9.95,31.72 ; v5(10.43,32.12) 10.38,32.12 ; v5(10.43,32.12) 10.43,32.27 10.91,32.75 v7(10.96,32.75) ; 29.08,35.72 29.03,35.67 28.66,35.67 v1(28.59,35.6) ; v2(33.37,42.94) 33.37,42.79 33.93,42.79 ; 21.63,37.83 21.63,37.76 21.76,37.63 21.76,37.62 v1(21.78,37.61) ; 21.63,37.83 21.41,37.61 21.37,37.61 21.32,37.56 v2(21.3,37.56) ; 21.63,37.83 21.61,37.85 21.61,38.36 v7(21.54,38.44) v7(21.28,38.69) 20.72,39.25 20.72,39.7 v2(20.56,39.86) 19.7,40.73 v5(19.63,40.73) v2(19.63,42.38) 19.63,46.8 v5(20.39,47.56) ; 13.11,29.88 12.7,29.88 v7(12.52,30.06) ; 13.11,29.88 v1(13.03,29.8) ; 13.11,29.88 13.87,29.88 ; v5(27.99,41.26) 28.03,41.22 28.23,41.22 ; v5(27.99,41.26) 28.14,41.32 ; v5(27.99,41.26) 27.99,41.32 28.04,41.37 ; 28.23,41.22 28.23,40.34 28.08,40.19 28.08,39.14 28.09,39.13 28.09,38.61 ; 28.23,41.22 28.14,41.32 ; 17.75,29.88 17.81,29.88 18.12,29.57 18.07,29.57 v7(17.95,29.68) 17.75,29.88 ; v7(19.12,30.03) 19.1,30.03 18.96,29.89 18.52,29.89 17.98,30.44 ; 15.77,29.88 16.44,29.88 v1(16.49,29.83) 16.64,29.83 16.73,29.73 ; 15.77,29.88 v7(15.69,29.8) ; 15.77,29.88 14.79,29.88 ; 16.88,29.73 16.83,29.69 16.83,29.63 ; 16.88,29.73 16.97,29.83 ; 16.88,29.73 16.73,29.73 ; 16.88,29.73 v5(16.93,29.58) ; v1(30.59,36.4) 31.04,36.4 31.39,36.05 v1(31.39,36) ; 29.01,46.3 29.01,46.64 ; 29.01,46.3 28.67,45.95 ; 29.01,46.3 29.01,46.2 v7(28.95,46.14) ; 29.01,46.64 29.11,46.55 ; 29.01,46.64 29.01,46.75 ; 30.48,46.24 v1(30.48,46.14) ; 30.48,46.24 30.86,46.24 30.93,46.17 v1(30.93,46.09) ; 30.48,46.24 30.43,46.29 ; 30.75,44.58 30.49,44.32 ; 30.75,44.58 30.75,44.43 v7(30.77,44.41) 30.68,44.32 30.49,44.32 ; 30.49,44.32 v2(29.87,43.7) ; v1(22.19,26.4) 22.19,26.41 v1(21.8,26.81) ; 16.97,29.83 16.97,29.62 v5(16.93,29.58) ; v1(28.79,47.78) 28.82,47.74 ; v1(28.79,47.78) 28.57,48 28.65,48 ; v1(28.79,47.78) 28.74,47.72 ; v1(28.79,47.78) 28.83,47.78 28.9,47.7 28.9,47.67 ; v1(28.79,47.78) 28.51,47.78 28.55,47.74 ; 28.82,47.74 28.9,47.67 ; 28.82,47.74 28.82,47.64 ; 14.79,29.88 14.15,29.88 ; 14.79,29.88 14.57,29.66 14.57,29.65 ; 14.15,29.88 v7(14.09,29.83) ; 14.15,29.88 13.87,29.88 ; 22.81,37.2 v2(23.03,37.41) 23.07,37.37 23.22,37.37 ; 22.81,37.2 22.51,37.2 22.3,37.41 22.3,37.5 22.25,37.55 22.25,37.56 v7(22.23,37.58) 22.23,37.67 22.17,37.73 v2(22.17,38.01) ; 22.81,37.2 23.05,37.2 23.22,37.37 ; v7(17.85,31.26) 18.16,31.26 v2(18.2,31.22) ; v7(13.66,30.67) 13.87,30.47 14.02,30.47 v7(14.02,30.47) v7(14.82,30.47) ; 28.95,41.72 28.95,41.95 28.93,41.95 ; 15.41,35.53 v2(15.28,35.45) ; 15.41,35.53 15.41,35.93 v5(15.33,36.01) ; 15.41,35.53 15.41,34.97 v2(15.26,34.97) ; 15.41,35.53 15.31,35.43 ; v1(35.39,37.2) 35.23,37.04 34.9,37.04 ; 29.47,46.29 29.36,46.29 v7(29.16,46.5) ; 29.47,46.29 29.01,46.75 ; 19.98,34.16 20.09,34.04 20.61,34.04 20.98,34.41 20.99,34.41 20.65,34.75 ; 30.17,48.73 30.12,48.68 30.12,48.25 ; 28.14,41.32 28.09,41.37 28.04,41.37 ; 28.14,41.32 28.14,41.46 ; 30.12,48.22 30.12,48.25 ; 30.12,48.25 30.48,47.89 30.48,47.82 v5(30.53,47.77) ; 34.9,37.04 34.87,37.04 v7(34.64,36.81) ; v1(12.03,28.95) 12.02,28.94 11.8,28.94 11.79,28.94 11.59,28.94 ; 28.09,38.61 28.09,37.5 v1(27.79,37.2) v1(27.79,36.8) v1(28.19,36.4) ; 28.09,38.61 28.01,38.69 v7(28.01,38.95) ; 9.77,35.93 9.77,36.14 v5(9.67,36.04) 9.77,35.93 ; 9.77,35.93 9.92,36.09 10.44,36.09 v2(10.51,36.15) ; 9.77,35.93 9.82,35.88 9.82,35.48 v5(9.67,35.32) ; 19.39,31.23 19.36,31.23 19.36,31.16 v7(19.39,31.12) 19.39,31.23 ; v5(30.53,47.77) 30.48,47.77 ; v5(30.53,47.77) 30.59,47.7 30.59,47.53 ; v5(30.53,47.77) 30.53,47.82 ; 28.9,47.56 28.82,47.64 ; 28.9,47.56 28.9,46.86 29.01,46.75 ; 28.9,47.56 28.9,47.67 ; 28.82,47.64 28.74,47.72 ; 17.98,30.44 17.87,30.55 17.78,30.55 v7(17.73,30.5) ; 17.98,30.44 18.22,30.44 18.35,30.57 18.8,30.57 19.22,30.14 19.33,30.14 ; 16.83,29.63 16.88,29.58 v5(16.93,29.58) ; 16.83,29.63 16.73,29.73 ; 10.2,30.25 9.94,29.99 v7(9.74,29.99) 9.45,29.99 8.9,30.54 ; 27.34,47.2 27.34,46.98 v7(27.38,46.95) 27.34,46.91 27.34,46.6 ; 27.34,47.2 27.41,47.14 27.41,46.67 27.34,46.6 ; 27.34,47.2 27.34,47.4 27.68,47.74 v5(27.86,47.74) 28.55,47.74 ; 14.57,29.65 v9(14.57,29.63) ; 14.57,29.65 14.49,29.73 13.78,29.73 13.59,29.73 13.29,29.43 v5(12.92,29.43) ; v5(8.86,30.37) 8.9,30.41 8.9,30.54 ; v7(28.9,45.38) 28.94,45.34 28.94,45.2 28.65,45.5 v2(28.65,45.79) 28.65,45.95 ; 29.67,44.76 29.32,44.76 v5(29.16,44.92) ; 29.67,44.76 29.88,44.76 29.96,44.68 29.96,44.62 29.8,44.46 29.66,44.46 ; 29.67,44.76 v7(29.79,44.64) 29.66,44.52 29.66,44.46 ; 15.38,26.24 15.38,26.31 v5(15.31,26.32) 15.38,26.24 ; 15.38,26.24 15.43,26.19 15.43,25.84 15.53,25.74 16.01,25.74 ; 30.59,47.53 30.62,47.53 30.68,47.58 30.85,47.58 31.03,47.4 31.03,47.2 30.97,47.14 30.97,46.67 31.03,46.6 31.03,46.19 v1(30.93,46.09) ; 30.59,47.53 30.56,47.49 ; 30.43,45.84 30.43,45.79 v1(30.3,45.66) ; 30.43,45.84 30.12,45.53 v7(30.12,45.43) 30.23,45.53 v5(30.68,45.53) ; 30.43,45.84 30.43,46.29 ; v1(32.19,36) 32.34,36.15 32.84,36.15 v1(32.99,36) ; v2(33.86,42.92) 33.93,42.79 ; 33.93,42.79 34.34,42.79 v5(34.41,42.86) ; 33.93,42.79 33.83,42.89 ; v7(13.79,29.8) 13.87,29.88 ; v7(16.79,28.66) 16.65,28.8 16.65,28.95 v2(16.64,28.95) ; 30.43,46.29 30.43,46.54 ; 16.52,31.28 17.02,31.28 16.86,31.44 v5(16.86,31.54) ; 16.52,31.28 16.3,31.28 v7(16.2,31.17) ; 16.52,31.28 v7(16.61,31.36) ; v1(30.93,46.09) 30.78,46.09 30.68,45.99 30.68,45.94 ; 28.06,43.63 28.06,43.63 28.28,43.41 28.28,41.76 28.23,41.7 28.23,41.56 28.14,41.46 ; 28.06,43.63 v5(28.04,43.63) ; 28.06,43.63 28.13,43.7 28.13,44.41 28.13,44.98 v5(27.84,45.28) ; v2(27.38,30.11) 27.32,30.09 v7(27.2,29.85) ; 8.9,30.54 8.9,31.3 v7(8.91,31.31) ; 13.87,32.08 13.61,32.34 13.77,32.34 v7(13.79,32.36) 13.87,32.28 13.87,32.08 ; 13.87,32.08 v2(14.49,31.46) 14.49,31.38 ; 29.24,38.61 29.24,38.27 29.14,38.17 29.14,37.48 v1(29.41,37.22) ; v1(21.79,30.4) v1(21.39,30) v1(20.99,30) ; 23.22,37.37 23.57,37.37 23.8,37.6 v1(23.79,37.6) ; 34.34,48.43 34.49,48.27 34.49,47.75 v2(34.55,47.69) ; 34.34,48.43 v5(34.44,48.53) ; 34.34,48.43 34.29,48.38 33.88,48.38 v5(33.73,48.53) ; v2(19.66,22.18) 19.66,22.12 19.46,21.92 ; v2(19.66,22.18) v7(20.01,22.18) ; v2(19.66,22.18) 19.84,22.37 20.27,22.37 20.7,22.8 v1(21.39,22.8) ; 20.11,23.01 v2(19.63,23.01) 19.69,22.95 v7(20.01,22.95) 20.05,22.95 20.11,23.01 ; 20.11,23.01 v7(20.28,23.17) 20.51,23.4 ; 33.59,45.04 33.33,45.04 ; 33.33,45.04 33.08,44.78 v7(33.08,44.22) ; v7(24.08,30.95) 24.08,30.75 v7(24.19,30.63) ; 11.59,28.94 11.53,29.01 11.06,29.01 10.99,28.94 ; 11.59,28.94 11.29,28.94 v7(11.25,28.97) 11.21,28.94 10.99,28.94 ; v1(36.19,37.2) 36.33,37.2 36.36,37.17 36.64,37.17 36.84,37.37 36.84,37.38 36.88,37.42 36.88,37.73 v7(36.82,37.79) ; 29.55,45.92 29.55,45.78 29.81,46.04 ; 9.95,31.72 9.97,31.72 ; v5(10.46,29.46) 10.46,29.28 10.79,28.94 10.99,28.94 ; 28.14,41.46 28.04,41.37 ; v7(30.43,46.67) 30.43,46.54 ; 30.43,46.54 v7(30.17,46.8) 30.04,46.93 29.89,46.93 v5(29.77,47.06) ; 20.99,21.92 v1(20.99,22)